# Altium PCB Trottinette_Telemetrie_PCB_2L.PcbDoc (continued)
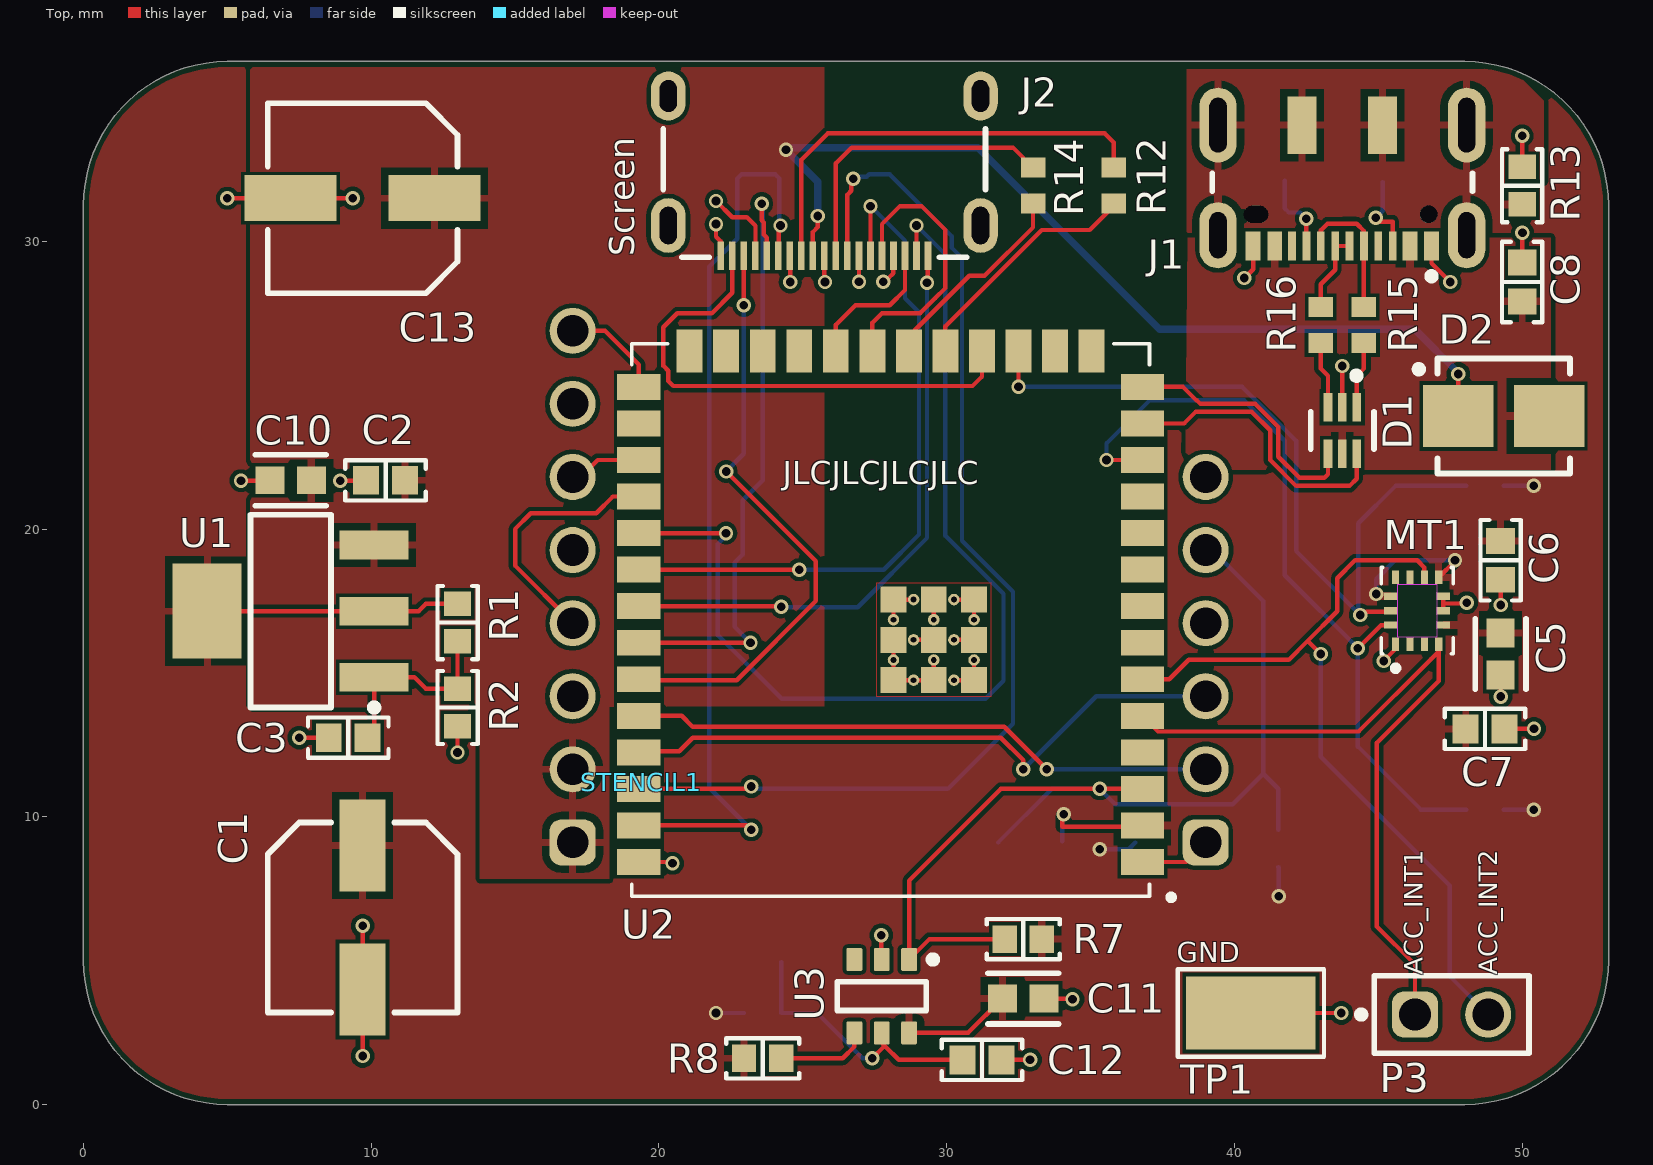
[diagram p0: Top view]
## Part data
C1 C13: library part 10SGV100M6.3X6.1, "CAP ALUM 100UF 20% 10V SMD", Device Package="Radial, Can - SMD", Lifetime @ Temp.="2000 Hrs @ 105°C", manufacturer=Rubycon, Operating Temperature="-55°C ~ 105°C", Ratings=AEC-Q200, Ripple Current @ High Frequency="85.2 mA @ 10 kHz", Ripple Current @ Low Frequency="71 mA @ 120 Hz", Supplier Part Number 1=1189-2392-1-ND, Tolerance=±20%, Voltage - Rated="10 V", Applications=Automotive, Capacitance="100 µF", componentlink1description=Datasheet, componentlink1url=http://www.rubycon.co.jp/en/catalog/e_pdfs/aluminum/e_sgv.pdf, componentlink2description="DigiKey Link", componentlink2url=https://www.digikey.com/en/products/detail/rubycon/10SGV100M6-3X6-1/3568604, Height - Seated (Max)="0.240\" (6.10mm)", lastupdated="6/3/2024 8:16:10 PM", Lifecycle Status=Active, Minimum Order=1, Mounting Type="Surface Mount", Package / Case="Radial, Can - SMD", packaging=TapeAndReel, Part Number=10SGV100M6.3X6.1, Part Status=Active, partid=8082, Polarization=Polar, price=0.08, series=SGV, Size / Dimension="0.248\" Dia (6.30mm)", Supplier 1=DigiKey, Surface Mount Land Size="0.260\" L x 0.260\" W (6.60mm x 6.60mm)"
C2 C3 C8 C9 C14: library part GRT188R61A106KE13D, "CAP CER 10UF 10V X5R 0603", Device Package=0603, manufacturer="Murata Electronics", Operating Temperature="-55°C ~ 85°C", Package / Case="0603 (1608 Metric)", Ratings=AEC-Q200, Supplier Part Number 1=490-12311-1-ND, Temperature Coefficient=X5R, Tolerance=±10%, Voltage - Rated=10V, Applications=Automotive, Capacitance="10 µF", componentlink1description=Datasheet, componentlink1url=https://search.murata.co.jp/Ceramy/image/img/A01X/G101/ENG/GRT188R61A106KE13-01.pdf, componentlink2description="DigiKey Link", componentlink2url=https://www.digikey.com/en/products/detail/murata-electronics/GRT188R61A106KE13D/5416733, Features="Derating Recommended", lastupdated="2/9/2024 8:10:30 PM", Lifecycle Status=Active, Minimum Order=1, Mounting Type="Surface Mount, MLCC", packaging=TapeAndReel, Part Number=GRT188R61A106KE13D, Part Status=Active, partid=2522, price=0.06, series=GRT, Size / Dimension="0.063\" L x 0.031\" W (1.60mm x 0.80mm)", Supplier 1=DigiKey, Thickness (Max)="0.037\" (0.95mm)"
C4 C5 C10 C11: library part CMP-2006-04550-2, "General Purpose Ceramic Capacitor, 0603, 100nF, 20%, X7R, 15%, 10V", Capacitance="0.1 µF", Case Code (Imperial)=0603, Case Code (Metric)=1608, Dielectric=X7R, Max Operating Temperature=125°C, Min Operating Temperature=-55°C, Package Quantity=4000, Tolerance=20%, Voltage Rating=10V, Case/Package=0603, Construction=Flat, Depth=0.81mm, Lead Free="Lead Free", Lead Pitch=0.014inch, Length=1.6mm, Mount="Surface Mount", Number of Pins=2, packaging="Tape and Reel", Radiation Hardening=No, RoHS Compliant=Yes, series=-, Termination=SMD/SMT, Thickness=0.035inch, Voltage Rating (DC)=10V, Width=0.032inch
C6: library part C0603C103K4RECAUTO, "CAP CER 0603 10NF 16V X7R 10%", Device Package="0603 (1608 Metric)", manufacturer=KEMET, Operating Temperature="-55°C ~ 125°C", Package / Case=0603, Ratings=AEC-Q200, Supplier Part Number 1=399-17880-1-ND, Temperature Coefficient=X7R, Tolerance=±10%, Voltage - Rated=16V, Applications="Automotive, ESD Protection", Capacitance="10000 pF", componentlink1description=Datasheet, componentlink1url=https://api.kemet.com/component-edge/download/datasheet/C0603C103K4RECAUTO.pdf, componentlink2description="DigiKey Link", componentlink2url=https://www.digikey.com/en/products/detail/kemet/C0603C103K4RECAUTO/8640474, lastupdated="2/9/2024 8:10:22 PM", Lifecycle Status=Active, Minimum Order=1, Mounting Type="Surface Mount, MLCC", packaging=TapeAndReel, Part Number=C0603C103K4RECAUTO, Part Status=Active, partid=8251, price=0.01, series="ESD SMD Auto X7R", Size / Dimension="0.063\" L x 0.031\" W (1.60mm x 0.80mm)", Supplier 1=DigiKey, Thickness (Max)="0.034\" (0.87mm)"
C7: library part CC0603ZRY5V7BB225, "CAP CER 2.2UF 16V Y5V 0603", Device Package="0603 (1608 Metric)", manufacturer=Yageo, Operating Temperature="-30°C ~ 85°C", Package / Case=0603, Supplier Part Number 1=311-3416-1-ND, Temperature Coefficient="Y5V (F)", Tolerance="-20%, +80%", Voltage - Rated=16V, Applications="General Purpose", Capacitance="2.2 µF", componentlink1description=Datasheet, componentlink1url=http://www.yageo.com/documents/recent/UPY-GPHC_Y5V_6.3V-to-50V_8.pdf, componentlink2description="DigiKey Link", componentlink2url=https://www.digikey.com/en/products/detail/yageo/CC0603ZRY5V7BB225/5883851, lastupdated="2/9/2024 8:10:30 PM", Lifecycle Status=Active, Minimum Order=1, Mounting Type="Surface Mount, MLCC", packaging=TapeAndReel, Part Number=CC0603ZRY5V7BB225, Part Status=Active, partid=2203, price=0.01, series=CC, Size / Dimension="0.063\" L x 0.031\" W (1.60mm x 0.80mm)", Supplier 1=DigiKey, Thickness (Max)="0.035\" (0.90mm)"
C12: library part AC0603KRX7R0BB103, "CAP CER 10000PF 100V X7R 0603", Device Package=0603, manufacturer=Yageo, Operating Temperature="-55°C ~ 125°C", Package / Case="0603 (1608 Metric)", Ratings=AEC-Q200, Supplier Part Number 1=311-3100-1-ND, Temperature Coefficient=X7R, Tolerance=±10%, Voltage - Rated=100V, Applications=Automotive, Capacitance="10000 pF", componentlink1description=Datasheet, componentlink1url=http://www.yageo.com/NewPortal/_en/search/productDocs.jsp?YageoPartNumber=AC0603KRX7R0BB103, componentlink2description="DigiKey Link", componentlink2url=https://www.digikey.com/en/products/detail/yageo/AC0603KRX7R0BB103/6643086, lastupdated="2024-02-09 20:10:30", Lifecycle Status=Active, Minimum Order=1, Mounting Type="Surface Mount, MLCC", packaging=TapeAndReel, Part Number=AC0603KRX7R0BB103, Part Status=Active, partid=2218, price=0.01, series=AC, Size / Dimension="0.063\" L x 0.031\" W (1.60mm x 0.80mm)", Supplier 1=DigiKey, Thickness (Max)="0.035\" (0.90mm)"
D1: library part CMP-12225-000058-1, "TVS DIODE 5.25V 17V SOT666", Breakdown Voltage=6V, Capacitance=3.5pF, Case/Package=SOT-666, Clamping Voltage=17V, Leakage Current=150nA, Max Operating Temperature=125°C, Min Operating Temperature=-40°C, Operating Supply Voltage=5V, Package Quantity=1, Peak Pulse Current=5A, Power Line Protection=Yes, Test Current=1mA, Contact Plating=Tin, Depth=1.3mm, Direction=Unidirectional, Element Configuration=Dual, ESD Protection=Yes, Height=0.6mm, Lead Free="Lead Free", Length=1.7mm, Max Breakdown Voltage=6V, Max Reverse Leakage Current=150nA, Min Breakdown Voltage=6V, Mount="Surface Mount", Number of Bidirectional Channels=2, Number of Channels=2, Number of Elements=1, Number of Pins=6, packaging="Tape and Reel", Polarity=Unidirectional, Radiation Hardening=No, REACH SVHC="No SVHC", Reverse Breakdown Voltage=6V, Reverse Standoff Voltage=5V, Termination=SMD/SMT, Width=1.3mm, Working Voltage=5V
D2: library part CMP-362-000004-1, "DIODE SCHOTTKY 15V 1A DO214BA"
J1: library part CMP-19038-000003-1, "CONN RCP USB2.0 TYP C 24P SMD RA"
J2: library part CMP-1502-00171-2, Contact Resistance=30mΩ, Current Rating=500mA, Insulation Resistance=100MΩ, Max Operating Temperature=85°C, Min Operating Temperature=-25°C, Operating Supply Voltage=40V, Body Material=Brass, Connector Type=HDMI, Contact Material=Gold, Contact Plating=Gold, Features=Shielded, Gender=Receptacle, Height=3.45mm, Lead Free="Lead Free", Mount="Horizontal, Surface Mount", NexarPartId=19499823, Number of Contacts=19, Number of Pins=19, Number of Positions=19, Orientation=Horizontal, packaging="Tape and Reel", REACH SVHC=Unknown, RoHS=Compliant, Termination=SMD/SMT, Voltage Rating=40V
MT1: Package=None, Availability=Unavailable, MP=ICM-42670-P, price=None
P1: "WR-PHD Pin Header, THT, Vertical, pitch 2.54mm, 1 Row, 6P", Contact Resistance=20mOhm, manufacturer="Wurth Elektronik", Operating Temperature Max=105°C, Operating Temperature Min=-40°C, Rated Current=3A, Withstanding Voltage=500V, Working Voltage=250V, Category="Board-to-Board Connectors", componentlink1description="Website Link", componentlink1url=https://www.we-online.com/redexpert/article/61300611121?ad, componentlink2description="Datasheet Link", componentlink2url=https://www.we-online.com/redexpert/spec/61300611121?ad, Gender="Pin Header", Manufacturer Part Number=61300611121, Match Code=WR-PHD, Mount="Through Hole", Number of Pins=6, Number of Rows=1, Orientation=Vertical, packaging=Bag, Pitch=2.54mm
P2: "WR-PHD Pin Header, THT, Vertical, pitch 2.54mm, 1 Row, 8P", Contact Resistance=20mOhm, manufacturer="Wurth Elektronik", Operating Temperature Max=105°C, Operating Temperature Min=-40°C, Rated Current=3A, Withstanding Voltage=500V, Working Voltage=250V, Category="Board-to-Board Connectors", componentlink1description="Website Link", componentlink1url=https://www.we-online.com/redexpert/article/61300811121?ad, componentlink2description="Datasheet Link", componentlink2url=https://www.we-online.com/redexpert/spec/61300811121?ad, Gender="Pin Header", Manufacturer Part Number=61300811121, Match Code=WR-PHD, Mount="Through Hole", Number of Pins=8, Number of Rows=1, Orientation=Vertical, packaging=Bag, Pitch=2.54mm
P3: "WR-PHD Pin Header, THT, Vertical, pitch 2.54mm, 1 Row, 2P", Contact Resistance=20mOhm, manufacturer="Wurth Elektronik", Operating Temperature Max=105°C, Operating Temperature Min=-40°C, Rated Current=3A, Withstanding Voltage=500V, Working Voltage=250V, Category="Board-to-Board Connectors", componentlink1description="Website Link", componentlink1url=https://www.we-online.com/redexpert/article/61300211121?ad, componentlink2description="Datasheet Link", componentlink2url=https://www.we-online.com/redexpert/spec/61300211121?ad, Gender="Pin Header", Manufacturer Part Number=61300211121, Match Code=WR-PHD, Mount="Through Hole", Number of Pins=2, Number of Rows=1, Orientation=Vertical, packaging=Bag, Pitch=2.54mm
R1: library part RMCF0603FT150R, "RES 150 OHM 1% 1/10W 0603", Device Package="0603 (1608 Metric)", manufacturer="Stackpole Electronics Inc", Operating Temperature="-55°C ~ 155°C", Power (Watts)="0.1W, 1/10W", Ratings=AEC-Q200, Supplier Device Package=0603, Supplier Part Number 1=RMCF0603FT150RCT-ND, Temperature Coefficient=±100ppm/°C, Tolerance=±1%, componentlink1description=Datasheet, componentlink1url=https://www.seielect.com/catalog/sei-rmcf_rmcp.pdf, componentlink2description="DigiKey Link", componentlink2url=https://www.digikey.com/en/products/detail/stackpole-electronics-inc/RMCF0603FT150R/1761314, Composition="Thick Film", Features="Automotive AEC-Q200", Height - Seated (Max)="0.022\" (0.55mm)", lastupdated="2/9/2024 8:43:14 PM", Lifecycle Status=Active, Minimum Order=1, Number of Terminations=2, Package / Case="0603 (1608 Metric)", packaging=CutTape, Part Number=RMCF0603FT150R, Part Status=Active, partid=10675, price=0.01, Resistance="150 Ohms", series=RMCF, Size / Dimension="0.061\" L x 0.031\" W (1.55mm x 0.80mm)", Supplier 1=DigiKey
R2: library part CH0603-250RJNTA, "RES 250 OHM 5% 1/8W 0603", Device Package="0603 (1608 Metric)", manufacturer="Vishay Sfernice", Operating Temperature="-55°C ~ 155°C", Power (Watts)="0.125W, 1/8W", Supplier Device Package=0603, Supplier Part Number 1=716-1168-1-ND, Temperature Coefficient=±100ppm/°C, Tolerance=±5%, componentlink1description=Datasheet, componentlink1url=http://www.vishay.com/docs/53014/ch.pdf, componentlink2description="DigiKey Link", componentlink2url=https://www.digikey.com/en/products/detail/vishay-sfernice/CH0603-250RJNTA/9405751, Composition="Thin Film", Features="RF, High Frequency", Height - Seated (Max)="0.025\" (0.63mm)", lastupdated="2/9/2024 8:43:16 PM", Lifecycle Status=Active, Minimum Order=1, Number of Terminations=2, Package / Case="0603 (1608 Metric)", packaging=TapeAndReel, Part Number=CH0603-250RJNTA, Part Status=Active, partid=10119, price=2.39, Resistance="250 Ohms", series=CH, Size / Dimension="0.060\" L x 0.030\" W (1.52mm x 0.76mm)", Supplier 1=DigiKey
R3 R11: library part RMCF0603FT5K10, "RES 5.1K OHM 1% 1/10W 0603", Device Package="0603 (1608 Metric)", manufacturer="Stackpole Electronics Inc", Operating Temperature="-55°C ~ 155°C", Package / Case=0603, Power (Watts)="0.1W, 1/10W", Ratings=AEC-Q200, Resistance="5.1 kOhms", Supplier Part Number 1=RMCF0603FT5K10CT-ND, Temperature Coefficient=±100ppm/°C, Tolerance=±1%, componentlink1description=Datasheet, componentlink1url=https://www.seielect.com/catalog/sei-rmcf_rmcp.pdf, componentlink2description="DigiKey Link", componentlink2url=https://www.digikey.com/en/products/detail/stackpole-electronics-inc/RMCF0603FT5K10/1760908, Composition="Thick Film", Features="Automotive AEC-Q200", Height - Seated (Max)="0.022\" (0.55mm)", lastupdated="2/9/2024 8:43:14 PM", Lifecycle Status=Active, Minimum Order=1, Number of Terminations=2, packaging=CutTape, Part Number=RMCF0603FT5K10, Part Status=Active, partid=10617, price=0.01, series=RMCF, Size / Dimension="0.061\" L x 0.031\" W (1.55mm x 0.80mm)", Supplier 1=DigiKey
R4 R5 R6 R10: library part RNCS0603BKE10K0, "RES 10K OHM 0.1% 1/16W 0603", Device Package="0603 (1608 Metric)", manufacturer="Stackpole Electronics Inc", Operating Temperature="-55°C ~ 155°C", Power (Watts)="0.063W, 1/16W", Ratings=AEC-Q200, Resistance="10 kOhms", Supplier Device Package=0603, Supplier Part Number 1=RNCS0603BKE10K0CT-ND, Temperature Coefficient=±25ppm/°C, Tolerance=±0.1%, componentlink1description=Datasheet, componentlink1url=https://www.seielect.com/catalog/sei-rncs_rnch.pdf, componentlink2description="DigiKey Link", componentlink2url=https://www.digikey.com/en/products/detail/stackpole-electronics-inc/RNCS0603BKE10K0/1708836, Composition="Thin Film", Features="Anti-Corrosive, Automotive AEC-Q200, Moisture Resistant", Height - Seated (Max)="0.022\" (0.55mm)", lastupdated="2/9/2024 8:43:37 PM", Lifecycle Status=Active, Minimum Order=1, Number of Terminations=2, Package / Case="0603 (1608 Metric)", packaging=TapeAndReel, Part Number=RNCS0603BKE10K0, Part Status=Active, partid=4838, price=0.06, series=RNCS, Size / Dimension="0.061\" L x 0.031\" W (1.55mm x 0.80mm)", Supplier 1=DigiKey
R7 R8: library part RMCF0603FT124K, "RES 124K OHM 1% 1/10W 0603", Device Package="0603 (1608 Metric)", manufacturer="Stackpole Electronics Inc", Operating Temperature="-55°C ~ 155°C", Power (Watts)="0.1W, 1/10W", Ratings=AEC-Q200, Resistance="124 kOhms", Supplier Device Package=0603, Supplier Part Number 1=RMCF0603FT124KCT-ND, Temperature Coefficient=±100ppm/°C, Tolerance=±1%, componentlink1description=Datasheet, componentlink1url=https://www.seielect.com/catalog/sei-rmcf_rmcp.pdf, componentlink2description="DigiKey Link", componentlink2url=https://www.digikey.com/en/products/detail/stackpole-electronics-inc/RMCF0603FT124K/1761224, Composition="Thick Film", Features="Automotive AEC-Q200", Height - Seated (Max)="0.022\" (0.55mm)", lastupdated="2/9/2024 8:43:13 PM", Lifecycle Status=Active, Minimum Order=1, Number of Terminations=2, Package / Case="0603 (1608 Metric)", packaging=CutTape, Part Number=RMCF0603FT124K, Part Status=Active, partid=10853, price=0.01, series=RMCF, Size / Dimension="0.061\" L x 0.031\" W (1.55mm x 0.80mm)", Supplier 1=DigiKey
R9: library part RMCF0603FT63K4, "RES 63.4K OHM 1% 1/10W 0603", Device Package="0603 (1608 Metric)", manufacturer="Stackpole Electronics Inc", Operating Temperature="-55°C ~ 155°C", Power (Watts)="0.1W, 1/10W", Ratings=AEC-Q200, Resistance="63.4 kOhms", Supplier Device Package=0603, Supplier Part Number 1=RMCF0603FT63K4CT-ND, Temperature Coefficient=±100ppm/°C, Tolerance=±1%, componentlink1description=Datasheet, componentlink1url=https://www.seielect.com/catalog/sei-rmcf_rmcp.pdf, componentlink2description="DigiKey Link", componentlink2url=https://www.digikey.com/en/products/detail/stackpole-electronics-inc/RMCF0603FT63K4/1714177, Composition="Thick Film", Features="Automotive AEC-Q200", Height - Seated (Max)="0.022\" (0.55mm)", lastupdated="2/9/2024 8:43:20 PM", Lifecycle Status=Active, Minimum Order=1, Number of Terminations=2, Package / Case="0603 (1608 Metric)", packaging=CutTape, Part Number=RMCF0603FT63K4, Part Status=Active, partid=8895, price=0.01, series=RMCF, Size / Dimension="0.061\" L x 0.031\" W (1.55mm x 0.80mm)", Supplier 1=DigiKey
R12 R14 R15 R16: library part CMP-2000-00423-1, manufacturer=Panasonic, Part Number=ERJ3EKF30R0V
R13: library part JR0603X26E, "0603 26 AMP JUMPER", Device Package="0603 (1608 Metric)", manufacturer=Ohmite, Operating Temperature="-55°C ~ 150°C", Power (Watts)=0.135W, Supplier Device Package=0603, Supplier Part Number 1=JR0603X26ECT-ND, Tolerance=Jumper, componentlink1description=Datasheet, componentlink1url=https://www.ohmite.com/assets/docs/res_jr.pdf?r=false, componentlink2description="DigiKey Link", componentlink2url=https://www.digikey.com/en/products/detail/ohmite/JR0603X26E/10233371, Composition="Metal Element", Height - Seated (Max)="0.022\" (0.55mm)", lastupdated="2/9/2024 8:43:29 PM", Lifecycle Status=Active, Minimum Order=1, Number of Terminations=2, Package / Case="0603 (1608 Metric)", packaging=TapeAndReel, Part Number=JR0603X26E, Part Status=Active, partid=6812, price=0.10, Resistance="0 Ohms", series=JR, Size / Dimension="0.063\" L x 0.031\" W (1.60mm x 0.80mm)", Supplier 1=DigiKey
REV1: library part REV_REVISION_CARTRIDGE_MINI, "REV - REVISION CARTRIDGE MINI", Assembly Type=NONE, Rule="Component Clearance Constraint [Horizontal Clearance = 0mil    Vertical Clearance = 0mil]"
SER1: library part SER_SERIAL_CARTRIDGE_MICRO, "SER - SERIAL CARTRIDGE MICRO", Assembly Type=NONE, Rule="Component Clearance Constraint [Horizontal Clearance = 0mil    Vertical Clearance = 0mil]"
STENCIL1: library part CMP-535-000002-8, "MEC - STENCIL TOP PASTE - 181x280", Assembly Type=NONE, Component Type="Standard (No BOM)", Design Item ID=STN_STENCIL_TOP_PASTE_LPKF_ZELFLEX-181x280, Magnetic Material=NO, Pin Count=0, Source=Schlib1.SchLib
TP1: library part CMP-007-000000-1, "TPO - PC TEST POINT MINI - SMD", Manufacturer #1="Keystone Electronics", Package=SMD, Part Number #1=5019, Assembly Type=SMD, Component Type=Standard, Design Item ID=TPO_SMD_5019, HelpURL=https://www.digikey.ca/product-detail/en/keystone-electronics/5019/36-5019CT-ND/3907344, Pin Count=1, Polarized=No, Source=CEGEP_SHERBROOKE_TGE_LIBRARY.SchLib
U1: library part CMP-0062-01642-3, "800mA Low-Dropout Linear Regulator, 4-pin SOT-223", manufacturer="National Semiconductor", PackageTopMarking=XYTT*N03A, PowerWise=N, Code_IPC=SOT223-4, Code_JEDEC=TO-261-AA, componentlink1description="Manufacturer URL", componentlink1url=http://www.national.com/, componentlink2description="LM1117 Datasheet", componentlink2url=http://www.national.com/ds/LM/LM1117.pdf, ComponentLink3Description="LM1117 Web Page", ComponentLink3URL=http://www.national.com/pf/LM/LM1117.html, ComponentLink4Description="MP04A Package Page", ComponentLink4URL=http://www.national.com/packaging/folders/mp04a.html, CompType="LDO IC", DatasheetVersion=Apr-2006, High-Reliability=Y, PackageDescription="Molded SOT-223, 6.50 x 3.56 x 1.6mm Body, 4 Lead, 2.3mm Pitch", PackageReference=MP04A, PackageVersion="revB, Apr-2003", PartNumber=LM1117MPX-ADJ, PinCount=4, RevisionNote="SCH symbol layout adjusted", RoHS=N
U2: "Bluetooth, WiFi 802.11b/g/n, Bluetooth v5.0 Transceiver Module 2.4GHz Antenna Not Included, U.FL Surface Mount", Package=None, Availability=Unavailable, Check_prices=https://www.snapeda.com/parts/ESP32-S3-WROOM-1U-N16R8/Espressif+Systems/view-part/?ref=eda, MF="Espressif Systems", MP=ESP32-S3-WROOM-1U-N16R8, price=None, SnapEDA_Link=https://www.snapeda.com/parts/ESP32-S3-WROOM-1U-N16R8/Espressif+Systems/view-part/?ref=snap
U3: library part CMP-0332-00558-2, "Low Quiescent Current, Programmable-Delay Supervisory Circuit, 1 Supply Monitored, -40 to 125 degC, 6-pin SOT-23 (DBV), Green (RoHS & no Sb/Br)", manufacturer="Texas Instruments", Rating=Catalog, Threshold Voltage 1 (typ)(Typ)(V)=Adjustable, # of Supplies Monitored=1, Code_JEDEC=MO-178-AB*, componentlink1description=Datasheet, componentlink1url=http://www.ti.com/general/docs/lit/getliterature.tsp?genericPartNumber=TPS3808G01&fileType=pdf, DatasheetVersion=SBVS050J, Iq(Typ)(uA)=2.4, Mounting Technology="Surface Mount", Output Driver Type / Reset Output="Active-low, Open-drain", PackageDescription="6-Pin Plastic Small-Outline Package, 2.9 x 1.6 mm Body, 0.95 mm Pitch, 2.8 mm Lead Span", PackageReference=DBV0006A, PackageVersion="revK, Mar-2006", PartNumber=TPS3808G01DBVR, Reset Threshold Accuracy(%)=1, SubFamily="Supervisor and Reset IC", Time Delay(ms)=Programmable, VCC(Max)(V)=6.5, VCC(Min)(V)=1.7

## Via types
v1: diameter 0.5, hole 0.3, Top to Bottom, tented both sides, 65 vias

## Nets (pads, with @x,y where several pads share a name; then routed paths per layer and width w, separated by ;. In a path a pad name is that pad's centre, name@x,y a point inside that pad or via, vN(x,y) a via of type N, cw(c..) or ccw(c..) an arc to the next point about the centre after c; other vN are vias at no path point)
3V3: C1.1 C4.1 C5.1 C6.2 C7.2 C9.2 C11.1 MT1.5 MT1.8 MT1.12 R1.2 R4.2 R5.2 R6.2 R7.2 R8.2 R9.2 U1.2 U1.4 U2.2 U3.6 | length 26.5
  Top w0.152: U1.4 U1.2 11.647,17.147 11.9,17.4 R1.2 ; U3.6 30.744,2.491 C11.1 ; v1(34.069,10.083) 34.011,10.024 34.011,9.659 36.759,9.659 U2.2 ; MT1.8 47.665,18.892 v1(47.665,18.914)
  Bottom w0.152: v1(21.983,3.181) R9.2 ; C4.1 34.01,10.024 v1(34.069,10.083) ; v1(35.322,8.873) 36.323,8.873 C9.2 ; R6.2 41.535,8.245 v1(41.535,7.24) ; v1@44.884,17.703 v1(44.925,17.744) 44.925,18.258 45.581,18.914 v1(47.665,18.914) ; R5.2 v1(50.4,10.25) ; R4.2 v1(50.4,21.5)
5V0: C2.2 C10.1 C13.1 D2.1 J2.9 P2.1 P2.2 U1.3 | length 32.3
  Top w0.152: J2.9 25.35,30.326 25.521,30.497 v1(25.521,30.881) ; D2.1 v1(47.784,25.391)
  Bottom w0.254: v1(25.521,30.881) 25.521,32.071 v1(24.414,33.178) 24.486,33.25 31.09,33.25 37.393,26.947 46.261,26.947 47.784,25.424 v1(47.784,25.391)
\RESET: C14.2 P1.5 R6.1 R7.1 U2.3 U3.1 | length 38.3
  Top w0.152: R7.1 29.402,5.75 U3.1 28.692,7.781 31.881,10.97 U2.3 35.854,10.97
  Bottom w0.152: C14.2 33.65,10.97 v1(35.322,10.97) 35.852,10.44 39.94,10.44 41,11.5 ; P1.5 39.23,19.27 41,17.5 41,11.5 ; R6.1 41.524,10.976 41,11.5
ACC_INT1: MT1.4 P3.1 U2.5 | length 26.2
  Top w0.152: U2.5 37.344,12.966 37.664,12.966 37.667,12.964 44.315,12.964 46.839,15.488 47.1,15.749 MT1.4 47.1,14.719 44.949,12.568 44.949,6.189 46.275,4.863 P3.1
ACC_INT2: MT1.9 P3.2 U2.6 | length 28.2
  Top w0.152: U2.6 37.73,14.78 38.41,15.46 41.892,15.46 42.525,16.093 ; v1(43,15.658) 42.565,16.093 42.525,16.093 ; MT1.9 46.6,18.664 46.35,18.914 44.192,18.914 43.572,18.294 43.572,17.14 42.525,16.093
  Bottom w0.152: v1(43,15.658) 43,12.089 47.489,7.601 47.489,4.453 P3.2
BOOT: P2.8 U2.27 | length 3.6
  Top w0.152: P2.8 18.125,26.89 19.3,25.715 U2.27
CON_GPIO18: P2.4 U2.30 | length 8.9
  Top w0.152: P2.4 15,18.73 15,20 15.548,20.548 17.817,20.548 18.4,21.13 U2.30
CON_GPIO21: P2.6 U2.29 | length 2.5
  Top w0.152: P2.6 17.282,21.81 17.872,22.4 U2.29
DC_PIN: J2.5 U2.34 | length 21.7
  Top w0.152: U2.34 v1(23.179,16.05) ; v1(23.57,31.31) 23.57,30.73 23.644,30.656 23.644,30.236 23.75,30.129 J2.5
  Bottom w0.152: v1(23.179,16.05) 22.627,16.602 22.627,18.83 22.91,19.114 22.91,21 23.605,21.695 23.605,31.275 v1(23.57,31.31)
GND: C1.2 C2.1 C3.1 C4.2 C5.2 C6.1 C7.1 C8.1 C9.1 C10.2 C11.2 C12.1 C13.2 C14.1 D1.2 J1.A1/B12 J1.A12/B1 J2.1 J2.4 J2.7 J2.10 J2.13 J2.16 J2.Shell MT1.1 MT1.6 MT1.7 P1.1 P1.4 P1.6 P2.3 P2.5 P2.7 R2.1 R3.1 R10.1 R11.1 R13.2 TP1.1 U2.1 U2.40 U2.41_1 U2.41_2 U2.41_3 U2.41_4 U2.41_5 U2.41_6 U2.41_7 U2.41_8 U2.41_9 U2.41_10 U2.41_11 U2.41_12 U2.41_13 U2.41_14 U2.41_15 U2.41_16 U2.41_17 U2.41_18 U2.41_19 U2.41_20 U2.41_21 U3.2 | length 51
  Top w0.152: v1(5,31.498) C13.2 v1(9.359,31.498) ; v1(5.473,21.684) 6.463,21.684 C10.2 ; v1(7.5,12.75) C3.1 ; v1(8.927,21.684) 9.814,21.684 C2.1 ; v1(9.7,1.687) C1.2 v1(9.7,6.208) ; v1(13,12.235) R2.1 ; U2.40 20.421,8.43 v1(20.471,8.38) ; v1(21.983,30.6) 21.983,30.163 22.15,29.996 J2.1 ; v1(21.983,31.4) 22.543,30.84 23.057,30.84 23.356,30.541 23.356,29.961 23.35,29.955 J2.4 ; J2.7 24.559,29.491 24.559,28.886 24.564,28.881 v1(24.564,28.586) ; J2.10 25.75,28.605 v1(25.769,28.586) ; v1(26.95,28.598) J2.13 ; v1(27.728,5.884) 27.728,5.055 U3.2 ; v1(27.798,28.598) 27.924,28.724 27.979,28.724 28.141,28.886 28.141,29.491 J2.16 ; U2.41_6 U2.41_14 U2.41_3 U2.41_11 U2.41_2 U2.41_13 ; U2.41_19 U2.41_9 U2.41_21 ; U2.41_16 U2.41_5 ; U2.41_18 U2.41_8 ; U2.41_10 U2.41_1 U2.41_12 ; U2.41_15 U2.41_4 ; U2.41_20 U2.41_7 U2.41_17 ; C12.1 31.905,1.558 v1(32.897,1.558) ; C11.2 34.347,3.681 v1(34.372,3.656) ; U2.1 38.32,8.43 P1.1 ; v1(40.345,28.724) 40.65,29.029 J1.A12/B1 ; TP1.1 v1(43.717,3.181) ; D1.2 43.749,25.665 v1(43.751,25.666) ; v1(45.184,15.414) 45.6,15.831 MT1.1 ; J1.A1/B12 46.85,29.236 v1(47.5,28.586) ; MT1.6 47.262,17.414 ; MT1.7 47.262,17.414 ; v1(48.07,17.44) 48.045,17.414 47.262,17.414 ; v1(49.25,14.179) C5.2 ; v1(49.25,17.36) C6.1 ; C7.1 v1(50.411,13.054) ; C8.1 50,30.294 v1(50.009,30.302) ; R13.2 v1(50,33.667)
GPIO1: J2.6 U2.39 | length 31.9
  Top w0.152: U2.39 23.057,9.7 v1(23.207,9.55) ; J2.6 24.159,29.509 24.159,30.485 v1(24.224,30.55)
  Bottom w0.152: v1(23.207,9.55) 21.75,11.007 21.75,29.122 22.721,30.092 22.721,32.185 22.871,32.335 24.035,32.335 24.185,32.185 24.185,30.589 v1(24.224,30.55)
GPIO38: J2.18 U2.31 | length 35.9
  Top w0.152: U2.31 v1(22.33,19.86) ; J2.18 v1(28.95,30.55)
  Bottom w0.152: v1(22.33,19.86) 22.33,19.766 22.047,19.483 22.047,16.318 24.264,14.1 31.35,14.1 31.975,14.725 31.975,17.75 29.955,19.77 29.955,29.545 v1(28.95,30.55)
GPIO39: J2.14 U2.32 | length 24.1
  Top w0.152: U2.32 v1(24.875,18.59) ; J2.14 v1(27.35,31.225)
  Bottom w0.152: v1(24.875,18.59) 27.816,18.59 29.035,19.809 29.035,27.536 28.55,28.022 28.55,30.025 v1(27.35,31.225)
I2C_SCL: MT1.13 R4.1 U2.17 | length 27.3
  Top w0.152: v1(32.495,24.94) U2.17 ; v1(44.37,17.013) 44.464,17.013 44.574,17.123 45.396,17.123 MT1.13
  Bottom w0.152: v1(32.495,24.94) 40.27,24.94 42.142,23.068 42.142,19.241 v1(44.37,17.013) 44.304,17.08 44.304,17.39 44.304,20.204 45.6,21.5 R4.1
I2C_SDA: MT1.14 R5.1 U2.12 | length 27.1
  Top w0.152: v1(35.555,22.4) U2.12 ; v1(44.29,15.857) 45.094,16.661 45.434,16.661 MT1.14
  Bottom w0.152: v1(35.555,22.4) 35.555,22.977 37.05,24.472 40.343,24.472 41.748,23.066 41.748,18.399 v1(44.29,15.857) 44.29,12.441 46.481,10.25 R5.1
LED_CONTROL: J2.12 U2.38 | length 39
  Top w0.152: U2.38 23.123,10.97 v1(23.207,11.055) ; J2.12 26.55,31.622 26.686,31.758 26.686,32.11 v1(26.752,32.177)
  Bottom w0.152: v1(23.207,11.055) 23.292,10.97 30.04,10.97 32.303,13.233 32.303,17.5 32.303,17.817 30.53,19.59 30.53,29.422 30.169,29.783 30.169,30.181 28.015,32.335 27.307,32.335 27.215,32.243 26.819,32.243 v1(26.752,32.177)
NetC3_2: C3.2 R1.1 R2.2 U1.1 | length 6.9
  Top w0.152: C3.2 10.1,12.975 U1.1 11.5,14.847 11.9,14.447 R2.2 R1.1
NetC12_2: C12.2 R9.1 R10.2 U3.5 | length 9.6
  Top w0.152: v1(27.415,1.607) 27.824,2.016 27.868,2.016 ; U3.5 27.742,2.142 27.868,2.016 ; C12.2 28.331,1.553 27.868,2.016
  Bottom w0.152: R10.2@24.255,4.955 R9.1 25.5,3.181 27.074,1.607 v1(27.415,1.607)
NetD1_1: D1.1 R15.2 | length 2.3
  Top w0.152: D1.1 44.249,25.329 44.5,25.579 R15.2
NetD1_3: D1.3 R16.2 | length 2.3
  Top w0.152: R16.2 43,25.579 43.249,25.33 D1.3
NetJ1_1: J1.1 J1.2 J1.3 J1.4 J1.5 J1.6 R13.1
NetJ1_A5: J1.A5 R3.2 | length 2.8
  Top w0.152: v1(44.912,30.825) 45.053,30.685 45.5,30.685 J1.A5
  Bottom w0.152: v1(44.912,30.825) 45.15,31.063 R3.2
NetJ1_A6: J1.A6 J1.B6 R16.1 | length 2.8
  Top w0.152: R16.1 43,28.51 43.5,29.01 J1.B6 J1.A6
NetJ1_A7: J1.A7 J1.B7 R15.1 | length 4.9
  Top w0.152: J1.A7 43,30.379 43.234,30.614 43.749,30.614 ; 43.751,30.614 44.025,30.614 44.249,30.614 44.5,30.363 J1.B7 R15.1
NetJ1_B5: J1.B5 R11.2 | length 2.8
  Top w0.152: J1.B5 v1(42.5,30.79)
  Bottom w0.152: R11.2 41.75,31.145 41.892,31.003 42.288,31.003 v1(42.5,30.79)
NetR8_1: R8.1 U3.4 | length 3.2
  Top w0.152: R8.1 26.384,1.607 26.793,2.016 U3.4
NetR12_1: R12.1 U2.19 | length 8.4
  Top w0.152: U2.19 29.955,27.045 33.305,30.395 34.975,30.395 R12.1@35.805,31.225
NetR14_1: R14.1 U2.20 | length 7.2
  Top w0.152: U2.20 28.685,26.7 30.785,28.8 31.315,28.8 33,30.485 R14.1
RST_PIN: J2.3 U2.35 | length 20.9
  Top w0.152: U2.35 19.33,14.75 22.7,14.75 25.455,17.505 25.455,18.88 v1(22.335,22) ; v1(22.95,27.779) J2.3
  Bottom w0.152: v1(22.335,22) 22.95,22.615 v1(22.95,27.779)
SD_CS: J2.19 U2.33 | length 20.8
  Top w0.152: U2.33 24.236,17.32 v1(24.255,17.301) ; v1(29.315,28.56) 29.341,28.586 29.341,29.491 J2.19
  Bottom w0.152: v1(24.255,17.301) 24.273,17.283 26.905,17.283 29.315,19.694 v1(29.315,28.56)
SPI_CS: J2.2 U2.18 | length 18.1
  Top w0.152: J2.2 22.55,28.21 21.84,27.5 20.636,27.5 20.15,27.014 20.15,25.666 20.164,25.666 20.326,25.504 20.326,25.146 20.5,24.972 30.897,24.972 31.225,25.3 U2.18
SPI_MISO: J2.15 U2.21 | length 9.9
  Top w0.152: U2.21 27.415,27.165 27.75,27.5 29.075,27.5 29.597,28.022 29.955,28.38 29.955,30.395 29.125,31.225 28.375,31.225 27.75,30.6 J2.15
SPI_MOSI: J2.8 R12.2 | length 15.6
  Top w0.152: J2.8 24.941,29.509 24.941,32.827 25.864,33.75 35.49,33.75 35.805,33.435 R12.2
SPI_SCK: J2.11 R14.2 | length 10.6
  Top w0.152: J2.11 26.15,32.395 26.15,32.71 26.697,33.257 32.303,33.257 R14.2
T_CS: J2.17 U2.22 | length 5
  Top w0.152: U2.22 26.145,27.095 26.829,27.779 28.019,27.779 28.55,28.31 J2.17
UART0.MCU_RX: P1.3 U2.37 | length 21.6
  Top w0.152: U2.37 19.34,12.28 20.705,12.28 21.175,12.75 30.88,12.75 31.882,12.75 32.66,11.972 v1(32.66,11.65)
  Bottom w0.152: v1(32.66,11.65) 35.2,14.19 P1.3
UART0.MCU_TX: P1.2 U2.36 | length 20.5
  Top w0.152: U2.36 20.788,13.51 21.168,13.13 27.657,13.13 31.33,13.13 32.001,13.13 v1@33.48,11.65
  Bottom w0.152: v1(33.48,11.65) P1.2
USB.USB_N: D1.6 U2.13 | length 10.3
  Top w0.152: U2.13 38.25,23.67 38.651,24.071 40.601,24.071 41.242,23.43 41.242,22.4 42.142,21.5 44,21.5 44.249,21.749 D1.6
USB.USB_P: D1.4 U2.14 | length 9.1
  Top w0.152: U2.14 38.212,24.94 38.68,24.472 38.696,24.472 38.819,24.35 40.72,24.35 41.524,23.546 41.524,22.513 42.258,21.779 43.127,21.779 43.249,21.901 D1.4
VBUS: C8.2 D1.5 D2.2 J1.A4/B9 J1.B4/A9
pads on no net: J1. J1.A8 J1.B8 MT1.2 MT1.3 MT1.10 MT1.11 U2.4 U2.7 U2.8 U2.9 U2.10 U2.11 U2.15 U2.16 U2.23 U2.24 U2.25 U2.26 U2.28 U3.3

## Polygon pours and split planes (outlines as drawn)
GND on Bottom "GND_L02_P002" (solid, remove dead copper, pour order 2): 0,0 0,36.25 53,36.25 53,0
3V3 on Top "3V3_L01_P010" (solid, remove dead copper, pour order 10): 0,0 0,36.25 53,36.25 53,0.204 52.796,0
VBUS on Top "VBUS_L01_P004" (solid, pour order 4): 38.384,30.129 51,30.129 51,22.073 50.986,22.059 38.301,22.059
5V0 on Top "Top-5V0" (solid, pour order 6): 13.778,7.84 18.27,7.84 18.27,13.823 25.779,13.838 25.75,13.867 25.75,36.05 5.886,36.05 5.8,35.964 5.8,13.797 13.778,13.814
GND on Top "GND_L01_P007" (solid, pour order 7): 27.573,18.127 31.527,18.127 31.527,14.173 27.573,14.173
NetJ1_1 on Top "NETJ1_1_L01_P009" (solid, pour order 9): 49.638,35.999 50.75,34.888 50.75,30.294 38.384,30.294 38.344,30.334 38.344,35.976

## Silkscreen, mask and mechanical layers (free items; w line width, h text height)
Top Overlay:
  text "Screen" at 19.438,29.474 h1.5 r90
  text "JLCJLCJLCJLC" at 24.3,21.553 h0.8
  text "GND" at 37.998,4.705 h1.2
  text "ACC_INT1" at 46.762,4.516 h1.1 r90
  text "ACC_INT2" at 49.359,4.516 h1.1 r90
Bottom Overlay:
  text ".Projet_Titre" at 17.503,35.78 h3.5 r90
  text "0" at 9.66,33.166 h3.5 r90
  text ".Projet_nom_du_cours" at 39.616,29.387 h2
  text ".Projet_Concepteur2" at 28.75,25.089 h2 r90
  text ".Projet_Concepteur1" at 25.699,24.972 h2 r90
  text ".Projet_Date" at 31.75,23.5 h0.91 r90
  text "Conçu par :" at 20.5,22.75 h2 r90
Bottom Solder:
  drawing of 2 lines, arcs and shapes, not listed
Board Outline:
  the board outline again, w0.254

## Text inside footprints (layer, text, board x,y; h text height)
J2: Bottom Assembly "PCB Edge" at 27.581,36.956 h0.61 r180
REV1: Bottom Overlay "PCB REV #" at 33.605,24.211 h1 r90
SER1: Bottom Overlay "SERIAL #" at 33.36,18.261 h1 r90
STENCIL1: Top Paste "280 MM" at -73.12,4.208 h1.78 r90; Top Paste "TOP" at 76.88,-124.792 h4; Top Paste "STENCIL THICKNESS -" at -55.677,-148.092 h6.5; Top Paste "PCB Revision" at -25.111,-122.463 h2; Top Paste "181 MM" at 9.932,153.208 h1.78